# EAGLE board Mk4 Final a Panel score (EAGLE 9.0.1), part 18 of 24
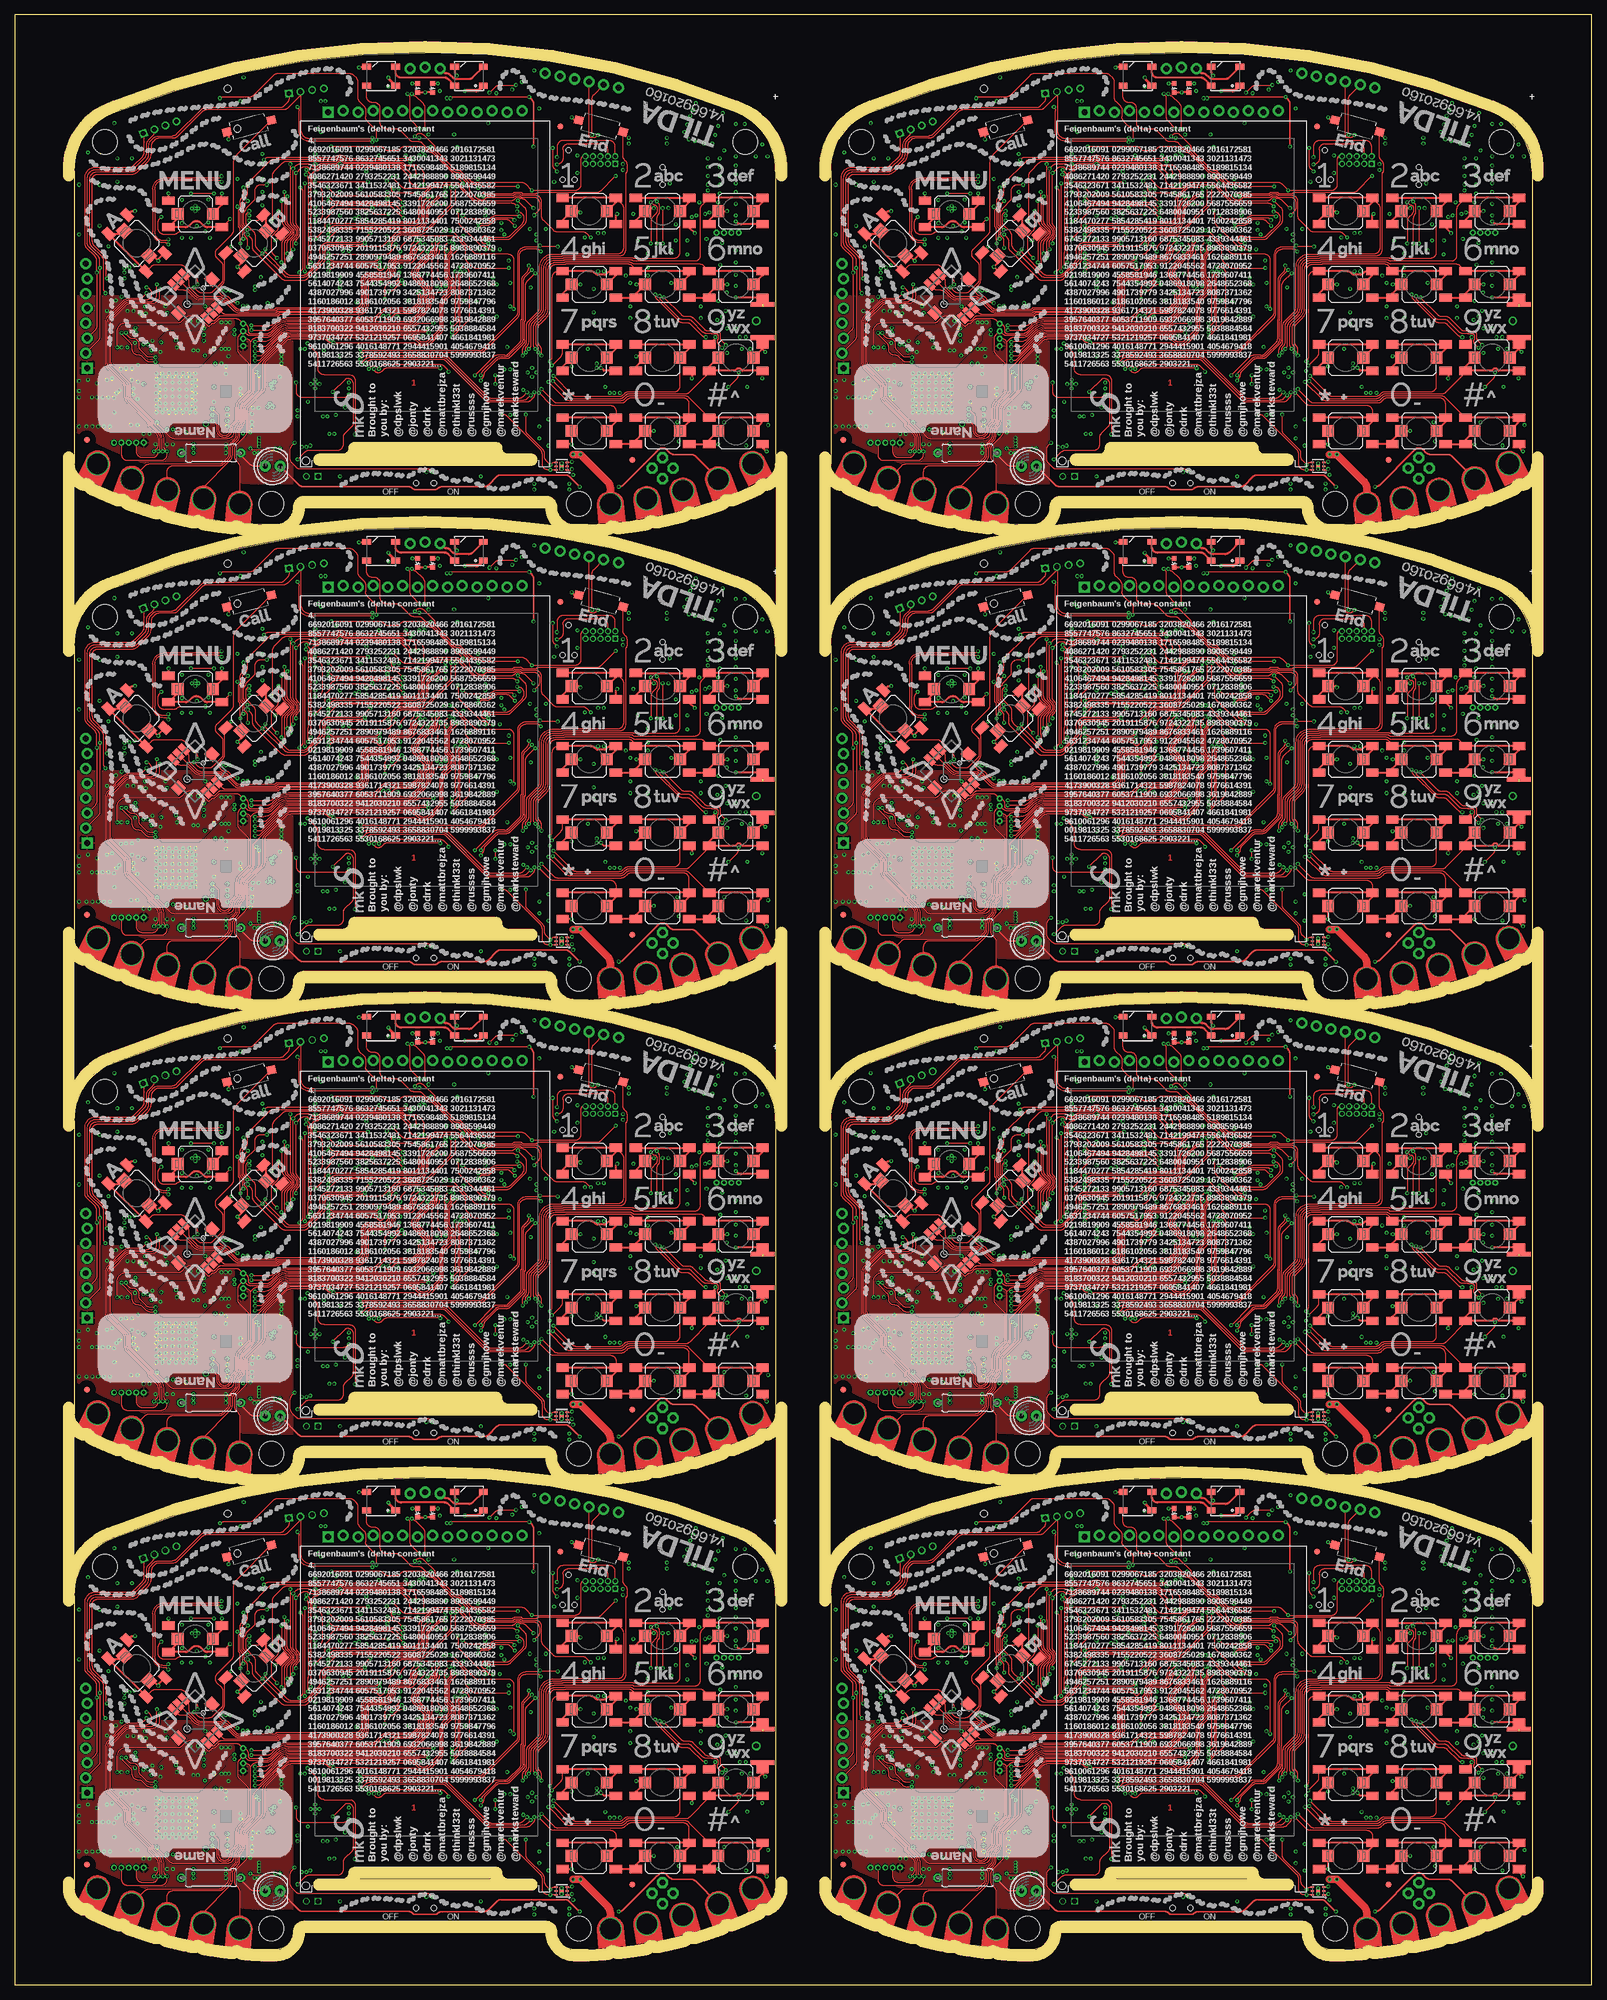
[diagram p0: board, top side]
## Tracks (layer width: path | path; a pad name or v marks a point on that pad's centre or on a via) (continued)
SDRAM_DQMH5  (via drill 0.3) (continued)
  Bottom 0.15: IC91.39 170.19,219.1 arc45 170.89,219.39 170.96,219.46 arc-45 171.66,219.75 v172.75,219.75 | IC92.82 199.6,227.26 arc-45 199.31,226.56 v198.75,226
SDRAM_DQMH6  (via drill 0.3)
  Top 0.15: v43.75,300.75 arc45 44,301.35 44,308.59 arc-45 44.29,309.29 45.73,310.73 arc-45 46.44,311.02 54.86,311.02 54.97,311.14 arc-90 56.03,311.14 56.29,310.88 65.94,310.88 arc-45 66.29,310.73 66.43,310.59 arc45 66.78,310.44 68.14,310.44 arc-45 68.85,310.15 69.46,309.54 arc-45 69.75,308.84 v69.75,307
  Bottom 0.15: IC109.39 41.19,300.1 arc45 41.89,300.39 41.96,300.46 arc-45 42.66,300.75 v43.75,300.75 | IC110.82 70.6,308.26 arc-45 70.31,307.56 v69.75,307
SDRAM_DQMH7  (via drill 0.3)
  Top 0.15: v172.75,300.75 arc45 173,301.35 173,308.59 arc-45 173.29,309.29 174.73,310.73 arc-45 175.44,311.02 183.86,311.02 183.97,311.14 arc-90 185.03,311.14 185.29,310.88 194.94,310.88 arc-45 195.29,310.73 195.43,310.59 arc45 195.78,310.44 197.14,310.44 arc-45 197.85,310.15 198.46,309.54 arc-45 198.75,308.84 v198.75,307
  Bottom 0.15: IC127.39 170.19,300.1 arc45 170.89,300.39 170.96,300.46 arc-45 171.66,300.75 v172.75,300.75 | IC128.82 199.6,308.26 arc-45 199.31,307.56 v198.75,307
SDRAM_DQML  (via drill 0.3)
  Top 0.15: v51.25,57.75 51.5,57.75 arc90 52.5,58.75 52.5,62.7 arc90 51.5,63.7 arc-45 50.99,63.91 50.92,63.98 arc-45 50.7,64.51 50.7,65.59 arc-45 50.92,66.12 arc-45 51.54,66.38 arc45 51.84,66.5 52.05,66.71 arc-45 52.75,67 54.83,67 54.97,66.86 arc90 56.03,66.86 56.14,66.97 65.57,66.97 arc-45 65.92,66.83 66.96,65.79 arc-45 67.25,65.09 67.25,65 arc90 68.25,64 v69,64
  Bottom 0.15: IC2.15 51.61,57.9 arc45 v51.25,57.75 | IC1.81 70.2,65.61 arc-45 69.91,64.91 v69,64
SDRAM_DQML1  (via drill 0.3)
  Top 0.15: v180.25,57.75 180.5,57.75 arc90 181.5,58.75 181.5,62.7 arc90 180.5,63.7 arc-45 179.99,63.91 179.92,63.98 arc-45 179.7,64.51 179.7,65.59 arc-45 179.92,66.12 arc-45 180.54,66.38 arc45 180.84,66.5 181.05,66.71 arc-45 181.75,67 183.83,67 183.97,66.86 arc90 185.03,66.86 185.14,66.97 194.57,66.97 arc-45 194.92,66.83 195.96,65.79 arc-45 196.25,65.09 196.25,65 arc90 197.25,64 v198,64
  Bottom 0.15: IC19.15 180.61,57.9 arc45 v180.25,57.75 | IC20.81 199.2,65.61 arc-45 198.91,64.91 v198,64
SDRAM_DQML2  (via drill 0.3)
  Top 0.15: v51.25,138.75 51.5,138.75 arc90 52.5,139.75 52.5,143.7 arc90 51.5,144.7 arc-45 50.99,144.91 50.92,144.98 arc-45 50.7,145.51 50.7,146.59 arc-45 50.92,147.12 arc-45 51.54,147.38 arc45 51.84,147.5 52.05,147.71 arc-45 52.75,148 54.83,148 54.97,147.86 arc90 56.03,147.86 56.14,147.97 65.57,147.97 arc-45 65.92,147.83 66.96,146.79 arc-45 67.25,146.09 67.25,146 arc90 68.25,145 v69,145
  Bottom 0.15: IC37.15 51.61,138.9 arc45 v51.25,138.75 | IC38.81 70.2,146.61 arc-45 69.91,145.91 v69,145
SDRAM_DQML3  (via drill 0.3)
  Top 0.15: v180.25,138.75 180.5,138.75 arc90 181.5,139.75 181.5,143.7 arc90 180.5,144.7 arc-45 179.99,144.91 179.92,144.98 arc-45 179.7,145.51 179.7,146.59 arc-45 179.92,147.12 arc-45 180.54,147.38 arc45 180.84,147.5 181.05,147.71 arc-45 181.75,148 183.83,148 183.97,147.86 arc90 185.03,147.86 185.14,147.97 194.57,147.97 arc-45 194.92,147.83 195.96,146.79 arc-45 196.25,146.09 196.25,146 arc90 197.25,145 v198,145
  Bottom 0.15: IC55.15 180.61,138.9 arc45 v180.25,138.75 | IC56.81 199.2,146.61 arc-45 198.91,145.91 v198,145
SDRAM_DQML4  (via drill 0.3)
  Top 0.15: v51.25,219.75 51.5,219.75 arc90 52.5,220.75 52.5,224.7 arc90 51.5,225.7 arc-45 50.99,225.91 50.92,225.98 arc-45 50.7,226.51 50.7,227.59 arc-45 50.92,228.12 arc-45 51.54,228.38 arc45 51.84,228.5 52.05,228.71 arc-45 52.75,229 54.83,229 54.97,228.86 arc90 56.03,228.86 56.14,228.97 65.57,228.97 arc-45 65.92,228.83 66.96,227.79 arc-45 67.25,227.09 67.25,227 arc90 68.25,226 v69,226
  Bottom 0.15: IC73.15 51.61,219.9 arc45 v51.25,219.75 | IC74.81 70.2,227.61 arc-45 69.91,226.91 v69,226
SDRAM_DQML5  (via drill 0.3)
  Top 0.15: v180.25,219.75 180.5,219.75 arc90 181.5,220.75 181.5,224.7 arc90 180.5,225.7 arc-45 179.99,225.91 179.92,225.98 arc-45 179.7,226.51 179.7,227.59 arc-45 179.92,228.12 arc-45 180.54,228.38 arc45 180.84,228.5 181.05,228.71 arc-45 181.75,229 183.83,229 183.97,228.86 arc90 185.03,228.86 185.14,228.97 194.57,228.97 arc-45 194.92,228.83 195.96,227.79 arc-45 196.25,227.09 196.25,227 arc90 197.25,226 v198,226
  Bottom 0.15: IC91.15 180.61,219.9 arc45 v180.25,219.75 | IC92.81 199.2,227.61 arc-45 198.91,226.91 v198,226
SDRAM_DQML6  (via drill 0.3)
  Top 0.15: v51.25,300.75 51.5,300.75 arc90 52.5,301.75 52.5,305.7 arc90 51.5,306.7 arc-45 50.99,306.91 50.92,306.98 arc-45 50.7,307.51 50.7,308.59 arc-45 50.92,309.12 arc-45 51.54,309.38 arc45 51.84,309.5 52.05,309.71 arc-45 52.75,310 54.83,310 54.97,309.86 arc90 56.03,309.86 56.14,309.98 65.57,309.98 arc-45 65.92,309.83 66.96,308.79 arc-45 67.25,308.09 67.25,308 arc90 68.25,307 v69,307
  Bottom 0.15: IC109.15 51.61,300.9 arc45 v51.25,300.75 | IC110.81 70.2,308.61 arc-45 69.91,307.91 v69,307
SDRAM_DQML7  (via drill 0.3)
  Top 0.15: v180.25,300.75 180.5,300.75 arc90 181.5,301.75 181.5,305.7 arc90 180.5,306.7 arc-45 179.99,306.91 179.92,306.98 arc-45 179.7,307.51 179.7,308.59 arc-45 179.92,309.12 arc-45 180.54,309.38 arc45 180.84,309.5 181.05,309.71 arc-45 181.75,310 183.83,310 183.97,309.86 arc90 185.03,309.86 185.14,309.98 194.57,309.98 arc-45 194.92,309.83 195.96,308.79 arc-45 196.25,308.09 196.25,308 arc90 197.25,307 v198,307
  Bottom 0.15: IC127.15 180.61,300.9 arc45 v180.25,300.75 | IC128.81 199.2,308.61 arc-45 198.91,307.91 v198,307
SIM_CLK  (via drill 0.3)
  Top 0.2: v110,45 110,44.91 arc45 110.29,44.21 113.21,41.29 arc45 113.91,41 114.84,41 arc-45 115.54,40.71 117.36,38.89 arc45 118.06,38.6 118.9,38.6 118.95,38.55 119.55,38.55 arc-90 120.05,38.05 120.05,37.8 arc-45 119.99,37.66 119.96,37.62 arc45 119.9,37.48 119.9,37.16 arc45 120.05,36.8 v120.65,36.2 | v109.5,61.15 109.5,61.12 109.75,60.87 arc-45 109.9,60.52 109.9,59.2 arc-45 109.79,58.94 arc45 109.5,58.24 v109.5,54
  3V3@2 0.2: v120.65,36.2 120.75,36.1 122,36.1 122.75,35.35 122.75,31.7 v124.93,29.52
  Bottom 0.2: J1.C3 v124.93,29.52 | v109.5,54 arc45 109.25,53.4 109.25,47.34 arc-45 109.03,46.81 108.67,46.45 arc45 108.45,45.92 108.45,45.48 arc45 108.6,45.13 108.9,44.83 arc90 109.6,44.83 109.78,45 v110,45 | R27.2 109.5,59.72 109.55,59.77 109.55,60.23 109.5,60.28 v109.5,61.15 | IC10.2 120.45,36.4 v120.65,36.2
SIM_CLK1  (via drill 0.3)
  Top 0.2: v239,45 239,44.91 arc45 239.29,44.21 242.21,41.29 arc45 242.91,41 243.84,41 arc-45 244.54,40.71 246.36,38.89 arc45 247.06,38.6 247.9,38.6 247.95,38.55 248.55,38.55 arc-90 249.05,38.05 249.05,37.8 arc-45 248.99,37.66 248.96,37.62 arc45 248.9,37.48 248.9,37.16 arc45 249.05,36.8 v249.65,36.2 | v238.5,61.15 238.5,61.12 238.75,60.87 arc-45 238.9,60.52 238.9,59.2 arc-45 238.79,58.94 arc45 238.5,58.24 v238.5,54
  3V3@2 0.2: v249.65,36.2 249.75,36.1 251,36.1 251.75,35.35 251.75,31.7 v253.93,29.52
  Bottom 0.2: J14.C3 v253.93,29.52 | v238.5,54 arc45 238.25,53.4 238.25,47.34 arc-45 238.03,46.81 237.67,46.45 arc45 237.45,45.92 237.45,45.48 arc45 237.6,45.13 237.9,44.83 arc90 238.6,44.83 238.78,45 v239,45 | R109.2 238.5,59.72 238.55,59.77 238.55,60.23 238.5,60.28 v238.5,61.15 | IC25.2 249.45,36.4 v249.65,36.2
SIM_CLK2  (via drill 0.3)
  Top 0.2: v110,126 110,125.91 arc45 110.29,125.21 113.21,122.29 arc45 113.91,122 114.84,122 arc-45 115.54,121.71 117.36,119.89 arc45 118.06,119.6 118.9,119.6 118.95,119.55 119.55,119.55 arc-90 120.05,119.05 120.05,118.8 arc-45 119.99,118.66 119.96,118.62 arc45 119.9,118.48 119.9,118.16 arc45 120.05,117.8 v120.65,117.2 | v109.5,142.15 109.5,142.12 109.75,141.87 arc-45 109.9,141.52 109.9,140.2 arc-45 109.79,139.94 arc45 109.5,139.24 v109.5,135
  3V3@2 0.2: v120.65,117.2 120.75,117.1 122,117.1 122.75,116.35 122.75,112.7 v124.93,110.52
  Bottom 0.2: J24.C3 v124.93,110.52 | v109.5,135 arc45 109.25,134.4 109.25,128.34 arc-45 109.03,127.81 108.67,127.45 arc45 108.45,126.92 108.45,126.48 arc45 108.6,126.13 108.9,125.83 arc90 109.6,125.83 109.78,126 v110,126 | R187.2 109.5,140.72 109.55,140.77 109.55,141.23 109.5,141.28 v109.5,142.15 | IC43.2 120.45,117.4 v120.65,117.2
SIM_CLK3  (via drill 0.3)
  Top 0.2: v239,126 239,125.91 arc45 239.29,125.21 242.21,122.29 arc45 242.91,122 243.84,122 arc-45 244.54,121.71 246.36,119.89 arc45 247.06,119.6 247.9,119.6 247.95,119.55 248.55,119.55 arc-90 249.05,119.05 249.05,118.8 arc-45 248.99,118.66 248.96,118.62 arc45 248.9,118.48 248.9,118.16 arc45 249.05,117.8 v249.65,117.2 | v238.5,142.15 238.5,142.12 238.75,141.87 arc-45 238.9,141.52 238.9,140.2 arc-45 238.79,139.94 arc45 238.5,139.24 v238.5,135
  3V3@2 0.2: v249.65,117.2 249.75,117.1 251,117.1 251.75,116.35 251.75,112.7 v253.93,110.52
  Bottom 0.2: J34.C3 v253.93,110.52 | v238.5,135 arc45 238.25,134.4 238.25,128.34 arc-45 238.03,127.81 237.67,127.45 arc45 237.45,126.92 237.45,126.48 arc45 237.6,126.13 237.9,125.83 arc90 238.6,125.83 238.78,126 v239,126 | R265.2 238.5,140.72 238.55,140.77 238.55,141.23 238.5,141.28 v238.5,142.15 | IC61.2 249.45,117.4 v249.65,117.2
SIM_CLK4  (via drill 0.3)
  Top 0.2: v110,207 110,206.91 arc45 110.29,206.21 113.21,203.29 arc45 113.91,203 114.84,203 arc-45 115.54,202.71 117.36,200.89 arc45 118.06,200.6 118.9,200.6 118.95,200.55 119.55,200.55 arc-90 120.05,200.05 120.05,199.8 arc-45 119.99,199.66 119.96,199.62 arc45 119.9,199.48 119.9,199.16 arc45 120.05,198.8 v120.65,198.2 | v109.5,223.15 109.5,223.12 109.75,222.87 arc-45 109.9,222.52 109.9,221.2 arc-45 109.79,220.94 arc45 109.5,220.24 v109.5,216
  3V3@2 0.2: v120.65,198.2 120.75,198.1 122,198.1 122.75,197.35 122.75,193.7 v124.93,191.52
  Bottom 0.2: J44.C3 v124.93,191.52 | v109.5,216 arc45 109.25,215.4 109.25,209.34 arc-45 109.03,208.81 108.67,208.45 arc45 108.45,207.92 108.45,207.48 arc45 108.6,207.13 108.9,206.83 arc90 109.6,206.83 109.78,207 v110,207 | R343.2 109.5,221.72 109.55,221.77 109.55,222.23 109.5,222.28 v109.5,223.15 | IC79.2 120.45,198.4 v120.65,198.2
SIM_CLK5  (via drill 0.3)
  Top 0.2: v239,207 239,206.91 arc45 239.29,206.21 242.21,203.29 arc45 242.91,203 243.84,203 arc-45 244.54,202.71 246.36,200.89 arc45 247.06,200.6 247.9,200.6 247.95,200.55 248.55,200.55 arc-90 249.05,200.05 249.05,199.8 arc-45 248.99,199.66 248.96,199.62 arc45 248.9,199.48 248.9,199.16 arc45 249.05,198.8 v249.65,198.2 | v238.5,223.15 238.5,223.12 238.75,222.87 arc-45 238.9,222.52 238.9,221.2 arc-45 238.79,220.94 arc45 238.5,220.24 v238.5,216
  3V3@2 0.2: v249.65,198.2 249.75,198.1 251,198.1 251.75,197.35 251.75,193.7 v253.93,191.52
  Bottom 0.2: J54.C3 v253.93,191.52 | v238.5,216 arc45 238.25,215.4 238.25,209.34 arc-45 238.03,208.81 237.67,208.45 arc45 237.45,207.92 237.45,207.48 arc45 237.6,207.13 237.9,206.83 arc90 238.6,206.83 238.78,207 v239,207 | R421.2 238.5,221.72 238.55,221.77 238.55,222.23 238.5,222.28 v238.5,223.15 | IC97.2 249.45,198.4 v249.65,198.2
SIM_CLK6  (via drill 0.3)
  Top 0.2: v110,288 110,287.91 arc45 110.29,287.21 113.21,284.29 arc45 113.91,284 114.84,284 arc-45 115.54,283.71 117.36,281.89 arc45 118.06,281.6 118.9,281.6 118.95,281.55 119.55,281.55 arc-90 120.05,281.05 120.05,280.8 arc-45 119.99,280.65 119.96,280.62 arc45 119.9,280.48 119.9,280.16 arc45 120.05,279.8 v120.65,279.2 | v109.5,304.15 109.5,304.12 109.75,303.87 arc-45 109.9,303.52 109.9,302.2 arc-45 109.79,301.94 arc45 109.5,301.24 v109.5,297
  3V3@2 0.2: v120.65,279.2 120.75,279.1 122,279.1 122.75,278.35 122.75,274.7 v124.93,272.52
  Bottom 0.2: J64.C3 v124.93,272.52 | v109.5,297 arc45 109.25,296.4 109.25,290.34 arc-45 109.03,289.81 108.67,289.45 arc45 108.45,288.92 108.45,288.48 arc45 108.6,288.13 108.9,287.83 arc90 109.6,287.83 109.78,288 v110,288 | R499.2 109.5,302.72 109.55,302.77 109.55,303.23 109.5,303.28 v109.5,304.15 | IC115.2 120.45,279.4 v120.65,279.2
SIM_CLK7  (via drill 0.3)
  Top 0.2: v239,288 239,287.91 arc45 239.29,287.21 242.21,284.29 arc45 242.91,284 243.84,284 arc-45 244.54,283.71 246.36,281.89 arc45 247.06,281.6 247.9,281.6 247.95,281.55 248.55,281.55 arc-90 249.05,281.05 249.05,280.8 arc-45 248.99,280.65 248.96,280.62 arc45 248.9,280.48 248.9,280.16 arc45 249.05,279.8 v249.65,279.2 | v238.5,304.15 238.5,304.12 238.75,303.87 arc-45 238.9,303.52 238.9,302.2 arc-45 238.79,301.94 arc45 238.5,301.24 v238.5,297
  3V3@2 0.2: v249.65,279.2 249.75,279.1 251,279.1 251.75,278.35 251.75,274.7 v253.93,272.52
  Bottom 0.2: J74.C3 v253.93,272.52 | v238.5,297 arc45 238.25,296.4 238.25,290.34 arc-45 238.03,289.81 237.67,289.45 arc45 237.45,288.92 237.45,288.48 arc45 237.6,288.13 237.9,287.83 arc90 238.6,287.83 238.78,288 v239,288 | R577.2 238.5,302.72 238.55,302.77 238.55,303.23 238.5,303.28 v238.5,304.15 | IC133.2 249.45,279.4 v249.65,279.2
SIM_CLK_R
  Bottom 0.2: IC5.16 109.4,57.9 R27.1 C49.2
SIM_CLK_R1
  Bottom 0.2: IC21.16 238.4,57.9 R109.1 C156.2
SIM_CLK_R2
  Bottom 0.2: IC39.16 109.4,138.9 R187.1 C264.2
SIM_CLK_R3
  Bottom 0.2: IC57.16 238.4,138.9 R265.1 C372.2
SIM_CLK_R4
  Bottom 0.2: IC75.16 109.4,219.9 R343.1 C480.2
SIM_CLK_R5
  Bottom 0.2: IC93.16 238.4,219.9 R421.1 C588.2
SIM_CLK_R6
  Bottom 0.2: IC111.16 109.4,300.9 R499.1 C696.2
SIM_CLK_R7
  Bottom 0.2: IC129.16 238.4,300.9 R577.1 C804.2
SIM_CTS
  Bottom 0.2: R34.1 96.5,44.25 TP4.TP
SIM_CTS1
  Bottom 0.2: R117.1 225.5,44.25 TP23.TP
SIM_CTS2
  Bottom 0.2: R195.1 96.5,125.25 TP42.TP
SIM_CTS3
  Bottom 0.2: R273.1 225.5,125.25 TP61.TP
SIM_CTS4
  Bottom 0.2: R351.1 96.5,206.25 TP80.TP
SIM_CTS5
  Bottom 0.2: R429.1 225.5,206.25 TP99.TP
SIM_CTS6
  Bottom 0.2: R507.1 96.5,287.25 TP118.TP
SIM_CTS7
  Bottom 0.2: R585.1 225.5,287.25 TP137.TP
SIM_CTS_R
  Bottom 0.15: IC5.4 R34.2
SIM_CTS_R1
  Bottom 0.15: IC21.4 R117.2
SIM_CTS_R2
  Bottom 0.15: IC39.4 R195.2
SIM_CTS_R3
  Bottom 0.15: IC57.4 R273.2
SIM_CTS_R4
  Bottom 0.15: IC75.4 R351.2
SIM_CTS_R5
  Bottom 0.15: IC93.4 R429.2
SIM_CTS_R6
  Bottom 0.15: IC111.4 R507.2
SIM_CTS_R7
  Bottom 0.15: IC129.4 R585.2
SIM_D_N
  Bottom 0.25: IC5.26 119.35,48.65 119.7,49 120.1,49 arc90 121.8,50.7 121.8,55.37 arc-90 JP9.2
SIM_D_N1
  Bottom 0.25: IC21.26 248.35,48.65 248.7,49 249.1,49 arc90 250.8,50.7 250.8,55.37 arc-90 JP14.2
SIM_D_N2
  Bottom 0.25: IC39.26 119.35,129.65 119.7,130 120.1,130 arc90 121.8,131.7 121.8,136.37 arc-90 JP23.2
SIM_D_N3
  Bottom 0.25: IC57.26 248.35,129.65 248.7,130 249.1,130 arc90 250.8,131.7 250.8,136.37 arc-90 JP32.2
SIM_D_N4
  Bottom 0.25: IC75.26 119.35,210.65 119.7,211 120.1,211 arc90 121.8,212.7 121.8,217.37 arc-90 JP41.2
SIM_D_N5
  Bottom 0.25: IC93.26 248.35,210.65 248.7,211 249.1,211 arc90 250.8,212.7 250.8,217.37 arc-90 JP50.2
SIM_D_N6
  Bottom 0.25: IC111.26 119.35,291.65 119.7,292 120.1,292 arc90 121.8,293.7 121.8,298.37 arc-90 JP59.2
SIM_D_N7
  Bottom 0.25: IC129.26 248.35,291.65 248.7,292 249.1,292 arc90 250.8,293.7 250.8,298.37 arc-90 JP68.2
SIM_D_P
  Bottom 0.25: IC5.25 119.35,49.75 119.7,49.4 120.1,49.4 arc90 121.4,50.7 121.4,55.36 arc90 JP9.3
SIM_D_P1
  Bottom 0.25: IC21.25 248.35,49.75 248.7,49.4 249.1,49.4 arc90 250.4,50.7 250.4,55.36 arc90 JP14.3
SIM_D_P2
  Bottom 0.25: IC39.25 119.35,130.75 119.7,130.4 120.1,130.4 arc90 121.4,131.7 121.4,136.36 arc90 JP23.3
SIM_D_P3
  Bottom 0.25: IC57.25 248.35,130.75 248.7,130.4 249.1,130.4 arc90 250.4,131.7 250.4,136.36 arc90 JP32.3
SIM_D_P4
  Bottom 0.25: IC75.25 119.35,211.75 119.7,211.4 120.1,211.4 arc90 121.4,212.7 121.4,217.36 arc90 JP41.3
SIM_D_P5
  Bottom 0.25: IC93.25 248.35,211.75 248.7,211.4 249.1,211.4 arc90 250.4,212.7 250.4,217.36 arc90 JP50.3
SIM_D_P6
  Bottom 0.25: IC111.25 119.35,292.75 119.7,292.4 120.1,292.4 arc90 121.4,293.7 121.4,298.36 arc90 JP59.3
SIM_D_P7
  Bottom 0.25: IC129.25 248.35,292.75 248.7,292.4 249.1,292.4 arc90 250.4,293.7 250.4,298.36 arc90 JP68.3
SIM_DATA  (via drill 0.3)
  Top 0.2: v121.75,29.5 123.21,30.96 arc45 123.5,31.66 v123.5,32 | v108.5,54 108.5,57.73 arc-45 108.79,58.44 109.26,58.9 arc45 109.55,59.61 109.55,60.05 arc90 109.05,60.55 108.95,60.55 v108.5,61 | v110.75,44.75 113.71,41.79 arc45 114.41,41.5 115.09,41.5 arc-45 115.79,41.21 117.71,39.29 arc45 118.41,39 119.04,39 arc-45 119.14,38.96 arc45 119.28,38.9 119.9,38.9 arc-90 120.4,38.4 120.4,37.76 arc45 120.55,37.4 v121.3,36.65
  3V3@2 0.2: v123.5,32 123.25,32.25 123.25,35.45 122.05,36.65 v121.3,36.65
  Bottom 0.2: J1.C7 120.87,29.5 v121.75,29.5 | v108.5,54 arc-45 108.75,53.4 108.75,47.33 arc-45 108.53,46.8 108.32,46.59 arc45 108.1,46.06 108.1,45.44 arc45 108.32,44.91 108.8,44.43 arc90 110.21,44.43 110.53,44.75 v110.75,44.75 | R26.2 107.5,59.59 arc-45 107.79,60.29 v108.5,61 | IC10.1 120.7,36.9 arc-45 v121.3,36.65
SIM_DATA1  (via drill 0.3)
  Top 0.2: v250.75,29.5 252.21,30.96 arc45 252.5,31.66 v252.5,32 | v237.5,54 237.5,57.73 arc-45 237.79,58.44 238.26,58.9 arc45 238.55,59.61 238.55,60.05 arc90 238.05,60.55 237.95,60.55 v237.5,61 | v239.75,44.75 242.71,41.79 arc45 243.41,41.5 244.09,41.5 arc-45 244.79,41.21 246.71,39.29 arc45 247.41,39 248.04,39 arc-45 248.14,38.96 arc45 248.28,38.9 248.9,38.9 arc-90 249.4,38.4 249.4,37.76 arc45 249.55,37.4 v250.3,36.65
  3V3@2 0.2: v252.5,32 252.25,32.25 252.25,35.45 251.05,36.65 v250.3,36.65
  Bottom 0.2: J14.C7 249.87,29.5 v250.75,29.5 | v237.5,54 arc-45 237.75,53.4 237.75,47.33 arc-45 237.53,46.8 237.32,46.59 arc45 237.1,46.06 237.1,45.44 arc45 237.32,44.91 237.79,44.43 arc90 239.21,44.43 239.53,44.75 v239.75,44.75 | R108.2 236.5,59.59 arc-45 236.79,60.29 v237.5,61 | IC25.1 249.7,36.9 arc-45 v250.3,36.65
SIM_DATA2  (via drill 0.3)
  Top 0.2: v121.75,110.5 123.21,111.96 arc45 123.5,112.66 v123.5,113 | v108.5,135 108.5,138.73 arc-45 108.79,139.44 109.26,139.9 arc45 109.55,140.61 109.55,141.05 arc90 109.05,141.55 108.95,141.55 v108.5,142 | v110.75,125.75 113.71,122.79 arc45 114.41,122.5 115.09,122.5 arc-45 115.79,122.21 117.71,120.29 arc45 118.41,120 119.04,120 arc-45 119.14,119.96 arc45 119.28,119.9 119.9,119.9 arc-90 120.4,119.4 120.4,118.76 arc45 120.55,118.4 v121.3,117.65
  3V3@2 0.2: v123.5,113 123.25,113.25 123.25,116.45 122.05,117.65 v121.3,117.65
  Bottom 0.2: J24.C7 120.87,110.5 v121.75,110.5 | v108.5,135 arc-45 108.75,134.4 108.75,128.33 arc-45 108.53,127.8 108.32,127.59 arc45 108.1,127.06 108.1,126.44 arc45 108.32,125.91 108.8,125.43 arc90 110.21,125.43 110.53,125.75 v110.75,125.75 | R186.2 107.5,140.59 arc-45 107.79,141.29 v108.5,142 | IC43.1 120.7,117.9 arc-45 v121.3,117.65
SIM_DATA3  (via drill 0.3)
  Top 0.2: v250.75,110.5 252.21,111.96 arc45 252.5,112.66 v252.5,113 | v237.5,135 237.5,138.73 arc-45 237.79,139.44 238.26,139.9 arc45 238.55,140.61 238.55,141.05 arc90 238.05,141.55 237.95,141.55 v237.5,142 | v239.75,125.75 242.71,122.79 arc45 243.41,122.5 244.09,122.5 arc-45 244.79,122.21 246.71,120.29 arc45 247.41,120 248.04,120 arc-45 248.14,119.96 arc45 248.28,119.9 248.9,119.9 arc-90 249.4,119.4 249.4,118.76 arc45 249.55,118.4 v250.3,117.65
  3V3@2 0.2: v252.5,113 252.25,113.25 252.25,116.45 251.05,117.65 v250.3,117.65
  Bottom 0.2: J34.C7 249.87,110.5 v250.75,110.5 | v237.5,135 arc-45 237.75,134.4 237.75,128.33 arc-45 237.53,127.8 237.32,127.59 arc45 237.1,127.06 237.1,126.44 arc45 237.32,125.91 237.79,125.43 arc90 239.21,125.43 239.53,125.75 v239.75,125.75 | R264.2 236.5,140.59 arc-45 236.79,141.29 v237.5,142 | IC61.1 249.7,117.9 arc-45 v250.3,117.65
SIM_DATA4  (via drill 0.3)
  Top 0.2: v121.75,191.5 123.21,192.96 arc45 123.5,193.66 v123.5,194 | v108.5,216 108.5,219.73 arc-45 108.79,220.44 109.26,220.9 arc45 109.55,221.61 109.55,222.05 arc90 109.05,222.55 108.95,222.55 v108.5,223 | v110.75,206.75 113.71,203.79 arc45 114.41,203.5 115.09,203.5 arc-45 115.79,203.21 117.71,201.29 arc45 118.41,201 119.04,201 arc-45 119.14,200.96 arc45 119.28,200.9 119.9,200.9 arc-90 120.4,200.4 120.4,199.76 arc45 120.55,199.4 v121.3,198.65
  3V3@2 0.2: v123.5,194 123.25,194.25 123.25,197.45 122.05,198.65 v121.3,198.65
  Bottom 0.2: J44.C7 120.87,191.5 v121.75,191.5 | v108.5,216 arc-45 108.75,215.4 108.75,209.33 arc-45 108.53,208.8 108.32,208.59 arc45 108.1,208.06 108.1,207.44 arc45 108.32,206.91 108.8,206.43 arc90 110.21,206.43 110.53,206.75 v110.75,206.75 | R342.2 107.5,221.59 arc-45 107.79,222.29 v108.5,223 | IC79.1 120.7,198.9 arc-45 v121.3,198.65
SIM_DATA5  (via drill 0.3)
  Top 0.2: v250.75,191.5 252.21,192.96 arc45 252.5,193.66 v252.5,194 | v237.5,216 237.5,219.73 arc-45 237.79,220.44 238.26,220.9 arc45 238.55,221.61 238.55,222.05 arc90 238.05,222.55 237.95,222.55 v237.5,223 | v239.75,206.75 242.71,203.79 arc45 243.41,203.5 244.09,203.5 arc-45 244.79,203.21 246.71,201.29 arc45 247.41,201 248.04,201 arc-45 248.14,200.96 arc45 248.28,200.9 248.9,200.9 arc-90 249.4,200.4 249.4,199.76 arc45 249.55,199.4 v250.3,198.65
  3V3@2 0.2: v252.5,194 252.25,194.25 252.25,197.45 251.05,198.65 v250.3,198.65
  Bottom 0.2: J54.C7 249.87,191.5 v250.75,191.5 | v237.5,216 arc-45 237.75,215.4 237.75,209.33 arc-45 237.53,208.8 237.32,208.59 arc45 237.1,208.06 237.1,207.44 arc45 237.32,206.91 237.79,206.43 arc90 239.21,206.43 239.53,206.75 v239.75,206.75 | R420.2 236.5,221.59 arc-45 236.79,222.29 v237.5,223 | IC97.1 249.7,198.9 arc-45 v250.3,198.65
SIM_DATA6  (via drill 0.3)
  Top 0.2: v121.75,272.5 123.21,273.96 arc45 123.5,274.66 v123.5,275 | v108.5,297 108.5,300.73 arc-45 108.79,301.44 109.26,301.9 arc45 109.55,302.61 109.55,303.05 arc90 109.05,303.55 108.95,303.55 v108.5,304 | v110.75,287.75 113.71,284.79 arc45 114.41,284.5 115.09,284.5 arc-45 115.79,284.21 117.71,282.29 arc45 118.41,282 119.04,282 arc-45 119.14,281.96 arc45 119.28,281.9 119.9,281.9 arc-90 120.4,281.4 120.4,280.76 arc45 120.55,280.4 v121.3,279.65
  3V3@2 0.2: v123.5,275 123.25,275.25 123.25,278.45 122.05,279.65 v121.3,279.65
  Bottom 0.2: J64.C7 120.87,272.5 v121.75,272.5 | v108.5,297 arc-45 108.75,296.4 108.75,290.33 arc-45 108.53,289.8 108.32,289.59 arc45 108.1,289.06 108.1,288.44 arc45 108.32,287.91 108.8,287.43 arc90 110.21,287.43 110.53,287.75 v110.75,287.75 | R498.2 107.5,302.59 arc-45 107.79,303.29 v108.5,304 | IC115.1 120.7,279.9 arc-45 v121.3,279.65
SIM_DATA7  (via drill 0.3)
  Top 0.2: v250.75,272.5 252.21,273.96 arc45 252.5,274.66 v252.5,275 | v237.5,297 237.5,300.73 arc-45 237.79,301.44 238.26,301.9 arc45 238.55,302.61 238.55,303.05 arc90 238.05,303.55 237.95,303.55 v237.5,304 | v239.75,287.75 242.71,284.79 arc45 243.41,284.5 244.09,284.5 arc-45 244.79,284.21 246.71,282.29 arc45 247.41,282 248.04,282 arc-45 248.14,281.96 arc45 248.28,281.9 248.9,281.9 arc-90 249.4,281.4 249.4,280.76 arc45 249.55,280.4 v250.3,279.65
  3V3@2 0.2: v252.5,275 252.25,275.25 252.25,278.45 251.05,279.65 v250.3,279.65
  Bottom 0.2: J74.C7 249.87,272.5 v250.75,272.5 | v237.5,297 arc-45 237.75,296.4 237.75,290.33 arc-45 237.53,289.8 237.32,289.59 arc45 237.1,289.06 237.1,288.44 arc45 237.32,287.91 237.79,287.43 arc90 239.21,287.43 239.53,287.75 v239.75,287.75 | R576.2 236.5,302.59 arc-45 236.79,303.29 v237.5,304 | IC133.1 249.7,279.9 arc-45 v250.3,279.65
SIM_DATA_R
  Bottom 0.2: C50.2 R26.1 107.5,57.91 arc45 107.79,57.21 108.01,56.99 arc-45 108.3,56.29 IC5.15
SIM_DATA_R1
  Bottom 0.2: C157.2 R108.1 236.5,57.91 arc45 236.79,57.21 237.01,56.99 arc-45 237.3,56.29 IC21.15
SIM_DATA_R2
  Bottom 0.2: C265.2 R186.1 107.5,138.91 arc45 107.79,138.21 108.01,137.99 arc-45 108.3,137.29 IC39.15
SIM_DATA_R3
  Bottom 0.2: C373.2 R264.1 236.5,138.91 arc45 236.79,138.21 237.01,137.99 arc-45 237.3,137.29 IC57.15
SIM_DATA_R4
  Bottom 0.2: C481.2 R342.1 107.5,219.91 arc45 107.79,219.21 108.01,218.99 arc-45 108.3,218.29 IC75.15
SIM_DATA_R5
  Bottom 0.2: C589.2 R420.1 236.5,219.91 arc45 236.79,219.21 237.01,218.99 arc-45 237.3,218.29 IC93.15
SIM_DATA_R6
  Bottom 0.2: C697.2 R498.1 107.5,300.91 arc45 107.79,300.21 108.01,299.99 arc-45 108.3,299.29 IC111.15
SIM_DATA_R7
  Bottom 0.2: C805.2 R576.1 236.5,300.91 arc45 236.79,300.21 237.01,299.99 arc-45 237.3,299.29 IC129.15
SIM_DCD
  Bottom 0.2: R33.1 98,45.25 TP3.TP
SIM_DCD1
  Bottom 0.2: R116.1 227,45.25 TP22.TP
SIM_DCD2
  Bottom 0.2: R194.1 98,126.25 TP41.TP
SIM_DCD3
  Bottom 0.2: R272.1 227,126.25 TP60.TP
SIM_DCD4
  Bottom 0.2: R350.1 98,207.25 TP79.TP
SIM_DCD5
  Bottom 0.2: R428.1 227,207.25 TP98.TP
SIM_DCD6
  Bottom 0.2: R506.1 98,288.25 TP117.TP
SIM_DCD7
  Bottom 0.2: R584.1 227,288.25 TP136.TP
SIM_DCD_R
  Bottom 0.15: IC5.5 100.6,45.35 R33.2
SIM_DCD_R1
  Bottom 0.15: IC21.5 229.6,45.35 R116.2
SIM_DCD_R2
  Bottom 0.15: IC39.5 100.6,126.35 R194.2
SIM_DCD_R3
  Bottom 0.15: IC57.5 229.6,126.35 R272.2
SIM_DCD_R4
  Bottom 0.15: IC75.5 100.6,207.35 R350.2
SIM_DCD_R5
  Bottom 0.15: IC93.5 229.6,207.35 R428.2
SIM_DCD_R6
  Bottom 0.15: IC111.5 100.6,288.35 R506.2
SIM_DCD_R7
  Bottom 0.15: IC129.5 229.6,288.35 R584.2
SIM_DET
  Bottom 0.2: IC5.14 107.2,41 arc90 108.2,40 115.09,40 arc-45 115.79,39.71 116.71,38.79 arc-45 117,38.09 R29.2 117,34.41 arc45 117.29,33.71 118.65,32.35 arc45 119.35,32.06 J1.C8